# Altium PCB OMD_60V_REF_2.PcbDoc (part 2 of 6)
Units mm, origin at the board's own origin, x right, y up, seen from the top; angles counter-clockwise.
Board outline 71.95 x 71.94 mm, 6 copper layers (Top Layer, L2, L3, L4, L5, Bottom Layer), stack 2.309 mm thick; 139 components, 113 nets, 809 pads, 9892 vias.
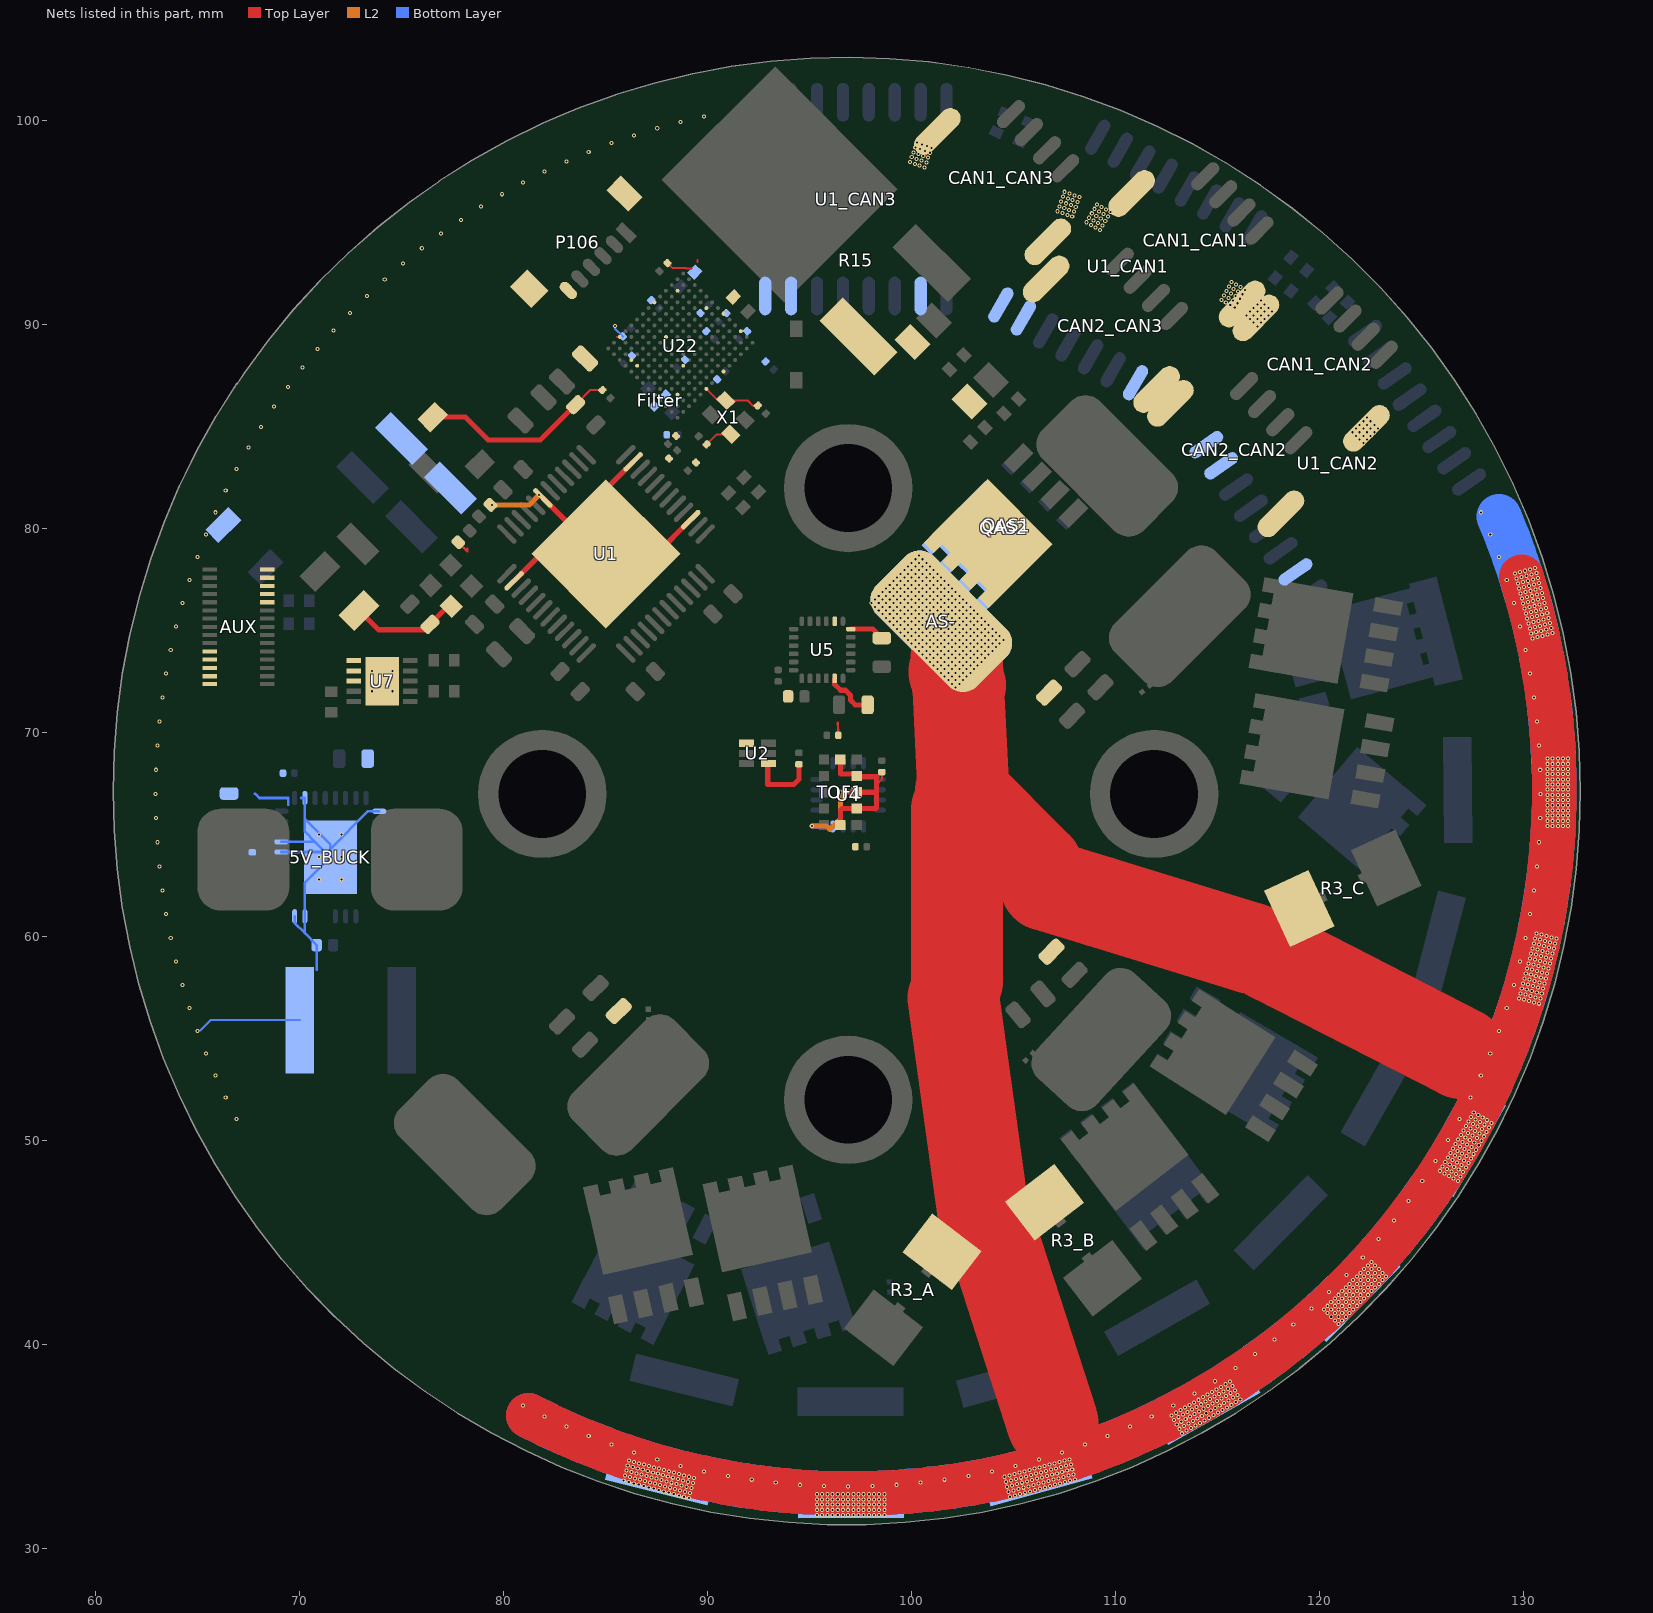
[diagram p6: the nets of this part, all layers, seen from the top]

## Via types
v1: diameter 0.2, hole 0.1, Top Layer to L2, tented both sides, 3354 vias
v2: diameter 0.2, hole 0.1, L2 to L3, tented both sides, 3246 vias
v3: diameter 0.2, hole 0.1, L3 to Bottom Layer, tented both sides, 3236 vias
v4: diameter 0.2, hole 0.1, L2 to L3, 40 vias
v5: diameter 0.2, hole 0.1, L3 to Bottom Layer, 8 vias
v6: diameter 0.2, hole 0.1, Top Layer to L2, 6 vias
v7: diameter 0.2, hole 0.1, Top Layer to L3, 2 vias

## Nets (pads, with @x,y where several pads share a name; then routed paths per layer and width w, separated by ;. In a path a pad name is that pad's centre, name@x,y a point inside that pad or via, vN(x,y) a via of type N, cw(c..) or ccw(c..) an arc to the next point about the centre after c; other vN are vias at no path point) (continued)
GND: 5V_BUCK.6 5V_BUCK.7 5V_BUCK.12 5V_BUCK.19 5V_BUCK.35 5V_BUCK.36 5V_BUCK.37 AS-.1 AUX.1 AUX.3 AUX.5 AUX.7 AUX.9 AUX.22 AUX.24 AUX.26 AUX.28 AUX.30 C1.2 C2.2 C3.2 C4.2 C5.2 C6.2 C7.P$2 C8.2 C11.1 C12.2 C13.P$2 C14.1 C15.2 C16.1 C17.2 C18.P$2 C19.2 C20.1 C21.1 C22.1 C23.1 C24.1 C25.1 C26.2 C27.2 C28.2 C29.1 C30.1 C31.1 C32.2 C33.2 C34.2 C35.2 C36.2 C37.2 C38.2 C39.2 C40.1 C41.1 C42.1 C43.2 C44.2 C45_A.2 C45_B.2 C45_C.2 C46.1 C47.1 C48.P$2 C51.2 C53.1 CAN1_CAN1.GND CAN1_CAN2.GND CAN1_CAN3.GND CAN2_CAN2.GND CAN2_CAN3.GND D1.2 Filter.2 P106.6 P106.GND QAS1.D QAS2.D R3_A.2 R3_B.2 R3_C.2 R7.1 R10_A.2 R10_B.2 R10_C.2 R15.1 R18.2 R19.1 R23.1 TOF1.2 TOF1.3 TOF1.4 TOF1.6 TOF1.12 U1.2 U1.27 U1.35 U1.43 U1.49 U1_CAN1.2 U1_CAN1.7 U1_CAN1.8 U1_CAN2.2 U1_CAN2.7 U1_CAN2.8 U1_CAN3.2 U1_CAN3.7 U1_CAN3.8 U2.1 U2.4 U4.8 U5.11 U5.18 U5.20 U7.1 U7.2 U7.3 U7.11 U22.A8 U22.A11 U22.B6 U22.C2 U22.F1 U22.F13 U22.H5 U22.J9 U22.J13 U22.M1 U22.M11 U22.N4 U22.N5 U22.P9 X1.2 X1.4 | length 328.1
  Top Layer w0.1: C8.2@83.54,86.06 84.259,86.779 C43.2@84.853,86.779 ; 85.568,89.381 U22.M1@85.707,89.381 ; U1.35@86.356,83.253 U1.35@86.448,83.346 ; U22.P9@87.404,86.482 U22.P9@87.404,86.553 ; C44.2@88.043,93.002 88.281,92.764 88.931,92.764 88.948,92.747 89.222,92.747 ; 89.524,93.049 89.524,93.158 ; C40.1@89.806,84.115 C40.1@89.967,84.115 90.459,84.607 X1.2@91.144,84.607 ; U22.J13@89.949,86.835 90.516,86.269 X1.4@90.897,86.269 91.968,86.269 92.219,86.017 C39.2@92.473,86.017 ; 96.393,70.485 C2.2@96.419,69.85 ; 98.298,67.437 98.552,67.691 C4.2@98.552,68.046
  Top Layer w0.127: C13.P$2@77.784,79.313 78.23,78.867 78.232,78.869 78.232,78.994 ; CAN1_CAN3.GND@100.58,98.689 100.669,98.498 CAN1_CAN3.GND@100.74,98.345
  Top Layer w0.254: C5.2@72.925,75.974 73.875,75.024 76.135,75.024 C11.1@76.402,75.291 77.418,76.307 R7.1@77.571,76.307 ; D1.2@76.528,85.453 78.129,85.453 79.254,84.328 81.809,84.328 C8.2@83.54,86.06 ; C7.P$2@79.365,81.149 v1(79.435,81.149) ; U1.2@80.522,77.42 81.848,78.745 U1.49@84.676,78.745 ; U1.43@81.936,81.485 U1.49@84.676,78.745 ; U1.35@86.356,83.253 85.03,81.927 U1.49@85.03,78.745 ; U1.27@89.184,80.425 87.505,78.745 U1.49@85.03,78.745 ; U2.4@92.991,68.461 92.964,68.434 92.964,67.437 94.234,67.437 94.488,67.691 C1.2@94.488,68.427 ; U5.11@96.241,72.641 96.241,72.355 96.541,72.054 96.776,72.054 97.014,71.816 97.014,71.582 97.253,71.343 C17.2@97.855,71.343 ; TOF1.6@96.52,65.456 96.52,66.167 96.609,66.256 TOF1.4@97.32,66.256 98.26,66.256 98.298,66.294 98.298,67.056 ; v1(96.52,67.056) TOF1.3@97.32,67.056 98.298,67.056 ; TOF1.12@96.52,68.656 96.52,67.945 97.231,67.945 TOF1.2@97.32,67.856 97.358,67.818 98.324,67.818 98.298,67.792 98.298,67.437 98.298,67.056 ; U5.18@97.031,75.057 98.109,75.057 C15.2@98.552,74.614 ; U1.49@84.676,78.745 U1.49@85.03,78.745
  Top Layer w2.2: 81.237,36.493 ccw(c97.028,67.167) v1@129.911,77.605
  Top Layer w4.5: 102.062,56.953 103.516,46.53 103.639,45.65 103.686,45.311 ; AS-.1@102.101,72.991 102.103,72.987 102.12,72.946 102.122,72.941 AS-.1@102.137,72.905 ; AS-.1@102.137,72.905 102.14,72.9 102.157,72.859 102.174,72.817 102.177,72.812 102.194,72.771 102.212,72.73 102.214,72.724 102.231,72.683 102.249,72.642 102.269,72.595 AS-.1@102.274,72.581 ; AS-.1@102.218,73.676 102.218,73.672 102.219,73.654 102.22,73.635 102.221,73.617 102.222,73.599 102.223,73.58 AS-.1@102.224,73.562 ; AS-.1@102.224,73.562 102.226,73.521 102.227,73.502 102.228,73.484 102.229,73.465 102.23,73.447 102.231,73.429 102.232,73.41 102.233,73.392 102.236,73.332 102.237,73.314 102.238,73.295 102.239,73.277 102.24,73.259 102.241,73.24 102.241,73.222 102.245,73.144 102.246,73.125 102.247,73.107 102.248,73.089 102.249,73.07 102.25,73.052 102.255,72.956 102.256,72.937 102.257,72.919 102.258,72.9 102.259,72.882 102.265,72.767 102.266,72.749 102.267,72.73 102.268,72.712 AS-.1@102.274,72.581 ; 102.235,57.785 102.235,66.22 102.426,66.411 102.426,67.119 102.562,66.983 ; AS-.1@102.398,72.29 102.36,72.378 102.323,72.466 102.306,72.507 102.286,72.554 AS-.1@102.274,72.581 ; 102.758,63.166 102.562,66.983 ; 103.695,46.13 103.722,46.044 103.954,45.329 106.936,36.118 ; 106.172,63.373 102.562,66.983 ; 106.601,62.5 109.253,61.686 116.586,59.436 ; 117.595,59.053 117.795,58.951 126.967,54.266 ; AS-.1@102.274,72.581 102.274,72.579 102.275,72.56 102.276,72.542 102.284,72.391 102.285,72.372 102.294,72.202 102.562,66.983
  L2 w0.254: v1(79.435,81.149) 81.27,81.149 v1(81.749,81.628) ; v3(95.123,65.405) 95.847,65.405 96.012,65.24 96.52,65.748 v1(96.52,67.056)
  Bottom Layer w0.1: 65.138,55.377 65.641,55.88 C46.1@70.017,55.88 ; v3(85.471,89.916) 85.471,89.789 C32.2@85.852,89.408
  Bottom Layer w0.127: 67.818,66.994 68.035,66.777 69.448,66.777 69.448,66.442 ; 5V_BUCK.6@69.114,64.127 71.264,64.127 5V_BUCK.37@70.764,64.627 ; 5V_BUCK.7@69.114,64.627 5V_BUCK.37@70.764,64.627 ; 5V_BUCK.36@69.764,60.977 69.764,60.646 70.264,60.146 ; 70.079,66.777 5V_BUCK.12@70.264,66.777 70.264,65.753 ; 70.847,58.361 C48.P$2@70.847,59.563 70.264,60.146 ; 5V_BUCK.19@73.914,66.127 73.366,66.127 5V_BUCK.37@71.514,64.275 ; 70.264,60.146 5V_BUCK.35@70.264,60.977 70.264,62.627 5V_BUCK.37@71.514,63.877 5V_BUCK.37@71.514,64.275 ; 70.264,65.753 71.514,64.503 5V_BUCK.37@71.514,64.275 ; 70.264,65.753 70.264,65.127 5V_BUCK.37@70.764,64.627
  Bottom Layer w0.254: v3(95.123,65.405) 95.847,65.405 96.012,65.24 U4.8@96.151,65.379
  Bottom Layer w2.2: 81.237,36.493 ccw(c97.028,67.167) 128.814,80.581
  other v1: 95.377,31.623 95.631,31.623 95.885,31.623 96.139,31.623 96.393,31.623 96.647,31.623 96.901,31.623 97.155,31.623 97.409,31.623 97.663,31.623 97.917,31.623 98.171,31.623 98.425,31.623 98.679,31.623 95.377,31.877 95.631,31.877 95.885,31.877 96.139,31.877 96.393,31.877 96.647,31.877 96.901,31.877 97.155,31.877 97.409,31.877 97.663,31.877 97.917,31.877 98.171,31.877 98.425,31.877 98.679,31.877 95.377,32.131 95.631,32.131 95.885,32.131 96.139,32.131 96.393,32.131 96.647,32.131 96.901,32.131 97.155,32.131 97.409,32.131 97.663,32.131 97.917,32.131 98.171,32.131 98.425,32.131 98.679,32.131 95.377,32.385 95.631,32.385 95.885,32.385 96.139,32.385 96.393,32.385 96.647,32.385 96.901,32.385 97.155,32.385 97.409,32.385 97.663,32.385 97.917,32.385 98.171,32.385 98.425,32.385 98.679,32.385 89.089,32.45 88.844,32.516 104.831,32.516 88.598,32.582 105.077,32.582 88.353,32.647 95.377,32.639 95.631,32.639 95.885,32.639 96.139,32.639 96.393,32.639 96.647,32.639 96.901,32.639 97.155,32.639 97.409,32.639 97.663,32.639 97.917,32.639 98.171,32.639 98.425,32.639 98.679,32.639 105.322,32.647 89.155,32.695 88.108,32.713 105.567,32.713 88.909,32.761 104.766,32.761 87.862,32.779 105.813,32.779 88.664,32.827 105.011,32.827 87.617,32.845 106.058,32.845 88.419,32.893 105.256,32.893 87.372,32.91 106.304,32.91 89.22,32.941 87.126,32.976 88.173,32.958 105.502,32.958 106.549,32.976 88.975,33.007 104.7,33.007 87.928,33.024 96.903,33.02 105.747,33.024 86.881,33.042 95.718,33.041 98.088,33.041 106.794,33.042 88.73,33.072 104.945,33.072 86.635,33.108 87.683,33.09 94.534,33.103 99.271,33.103 105.992,33.09 107.04,33.108 87.437,33.156 88.484,33.138 105.191,33.138 106.238,33.156 86.39,33.173 107.285,33.173 88.239,33.204 89.286,33.186 93.353,33.206 100.452,33.206 105.436,33.204 87.192,33.221 106.483,33.221 86.145,33.239 89.041,33.252 104.634,33.252 107.53,33.239 87.994,33.269 105.681,33.27 85.899,33.305 86.947,33.287 106.728,33.287 107.776,33.305 87.748,33.335 88.795,33.318 104.88,33.318 105.927,33.335 86.701,33.353 92.177,33.35 101.628,33.35 106.974,33.353 88.55,33.383 105.125,33.383 108.021,33.37 87.503,33.401 106.172,33.401 86.456,33.419 89.352,33.431 107.219,33.419 88.305,33.449 105.37,33.449 86.211,33.484 87.258,33.467 106.417,33.467 107.464,33.484 88.059,33.515 89.107,33.497 104.568,33.497 105.616,33.515 87.012,33.532 91.007,33.536 102.799,33.536 106.663,33.532 85.965,33.55 88.861,33.563 104.814,33.563 107.71,33.55 87.814,33.581 105.861,33.581 86.767,33.598 106.908,33.598 107.955,33.616 88.616,33.629 105.059,33.629 86.522,33.664 87.569,33.646 106.106,33.646 107.153,33.664 87.323,33.712 88.371,33.694 105.304,33.694 106.352,33.712 86.276,33.73 107.399,33.73 88.125,33.76 89.843,33.762 103.962,33.762 105.55,33.76 87.078,33.778 106.597,33.778 86.031,33.795 107.644,33.795 86.833,33.844 87.88,33.826 105.795,33.826 106.842,33.844 107.889,33.861 87.635,33.892 106.041,33.892 86.587,33.909 107.088,33.909 87.389,33.957 106.286,33.957 86.342,33.975 107.333,33.975 87.144,34.023 106.531,34.023 86.097,34.041 88.688,34.029 105.117,34.029 107.578,34.041 86.898,34.089 106.777,34.089 107.824,34.107 86.653,34.155 107.022,34.155 86.408,34.22 107.267,34.22 86.162,34.286 107.513,34.286 87.544,34.335 106.262,34.335 107.758,34.352 86.41,34.682 107.395,34.682 85.29,35.068 108.516,35.068 84.183,35.492 109.622,35.492 113.268,35.628 113.488,35.755 113.141,35.848 113.708,35.882 83.092,35.955 110.713,35.955 113.361,35.975 113.928,36.009 113.014,36.068 113.581,36.102 114.148,36.136 113.234,36.195 113.801,36.229 114.368,36.263 112.887,36.288 113.454,36.322 114.021,36.356 114.588,36.39 113.107,36.415 82.018,36.456 111.787,36.456 113.674,36.449 114.241,36.483 112.76,36.508 114.808,36.517 113.327,36.542 113.894,36.576 114.461,36.61 112.98,36.635 115.028,36.644 113.547,36.669 114.114,36.703 114.681,36.737 113.2,36.762 115.248,36.771 113.767,36.796 114.334,36.83 114.901,36.864 113.42,36.889 115.468,36.898 113.987,36.923 114.554,36.957 80.962,36.994 112.843,36.994 115.121,36.991 113.64,37.016 115.688,37.025 114.207,37.05 114.774,37.084 115.341,37.118 113.86,37.143 115.908,37.152 114.427,37.177 114.994,37.211 115.561,37.245 114.08,37.27 116.128,37.279 114.647,37.304 115.214,37.338 115.781,37.372 114.3,37.397 114.867,37.431 115.434,37.465 116.001,37.499 114.52,37.524 113.88,37.569 115.087,37.558 115.654,37.592 114.74,37.651 115.307,37.685 115.874,37.719 114.96,37.778 115.527,37.812 115.18,37.905 115.747,37.939 115.4,38.032 115.62,38.159 114.896,38.179 115.89,38.825 116.86,39.505 117.807,40.218 118.728,40.964 120.948,40.981 120.768,41.161 121.127,41.161 120.588,41.34 120.948,41.34 121.307,41.34 120.409,41.52 120.768,41.52 121.127,41.52 121.486,41.52 120.229,41.7 120.588,41.7 120.948,41.7 121.307,41.7 121.666,41.7 119.622,41.741 120.409,41.879 120.768,41.879 121.127,41.879 121.486,41.879 121.846,41.879 120.588,42.059 120.948,42.059 121.307,42.059 121.666,42.059 122.025,42.059 120.768,42.238 121.127,42.238 121.486,42.238 121.846,42.238 122.205,42.238 120.948,42.418 121.307,42.418 121.666,42.418 122.025,42.418 122.384,42.418 120.489,42.55 121.127,42.598 121.486,42.598 121.846,42.598 122.205,42.598 122.564,42.598 121.307,42.777 121.666,42.777 122.025,42.777 122.384,42.777 122.744,42.777 121.486,42.957 121.846,42.957 122.205,42.957 122.564,42.957 122.923,42.957 121.666,43.136 122.025,43.136 122.384,43.136 122.744,43.136 123.103,43.136 121.846,43.316 122.205,43.316 122.564,43.316 122.923,43.316 123.282,43.316 121.327,43.388 122.025,43.496 122.384,43.496 122.744,43.496 123.103,43.496 122.205,43.675 122.564,43.675 122.923,43.675 122.384,43.855 122.744,43.855 122.564,44.034 122.135,44.254 122.913,45.149 123.659,46.07 124.372,47.016 125.052,47.987 126.805,47.99 126.585,48.117 126.932,48.21 126.365,48.244 126.712,48.337 126.145,48.371 127.059,48.43 126.492,48.464 125.925,48.498 126.839,48.557 126.272,48.591 127.186,48.65 126.619,48.684 126.052,48.718 126.966,48.777 126.399,48.811 127.313,48.87 126.746,48.904 126.179,48.938 125.697,48.981 127.093,48.997 126.526,49.031 127.44,49.09 126.873,49.124 126.306,49.158 127.22,49.217 126.653,49.251 127.567,49.31 127,49.344 126.433,49.378 127.347,49.437 126.78,49.471 127.694,49.53 127.127,49.564 126.56,49.598 127.474,49.657 126.907,49.691 127.821,49.75 127.254,49.784 126.687,49.818 127.601,49.877 127.034,49.911 127.948,49.97 126.308,49.997 127.381,50.004 126.814,50.038 127.728,50.097 127.161,50.131 128.075,50.19 127.508,50.224 126.941,50.258 127.855,50.317 127.288,50.351 128.202,50.41 127.635,50.444 127.068,50.478 127.982,50.537 127.415,50.571 128.329,50.63 127.762,50.664 127.195,50.698 128.109,50.757 127.542,50.791 128.456,50.85 127.889,50.884 127.322,50.918 128.236,50.977 127.669,51.011 66.923,51.034 126.882,51.034 128.016,51.104 127.449,51.138 127.796,51.231 127.576,51.358 66.385,52.09 127.42,52.09 65.884,53.164 127.921,53.164 65.421,54.255 128.384,54.255 64.996,55.361 128.809,55.361 64.61,56.482 129.195,56.482 130.779,56.689 130.534,56.755 130.289,56.821 130.043,56.887 129.798,56.952 130.845,56.935 130.6,57.001 130.354,57.066 130.109,57.132 130.911,57.18 129.864,57.198 130.665,57.246 130.42,57.312 130.175,57.377 130.976,57.425 129.929,57.443 130.731,57.491 130.486,57.557 64.264,57.615 129.541,57.615 130.24,57.623 129.995,57.688 131.042,57.671 130.797,57.737 130.552,57.802 130.306,57.868 131.108,57.916 130.061,57.934 130.863,57.982 130.617,58.048 130.372,58.113 131.174,58.162 130.127,58.179 130.928,58.227 130.683,58.293 130.438,58.359 131.239,58.407 130.192,58.424 130.994,58.473 130.749,58.538 130.503,58.604 131.305,58.652 130.258,58.67 131.06,58.718 63.957,58.76 129.848,58.76 130.814,58.784 130.569,58.849 130.324,58.915 131.371,58.898 131.126,58.963 130.88,59.029 130.635,59.095 131.437,59.143 130.39,59.161 131.191,59.209 130.946,59.274 130.701,59.34 131.502,59.388 130.455,59.406 131.257,59.454 131.012,59.52 130.766,59.585 130.521,59.651 131.568,59.634 131.323,59.699 131.077,59.765 130.832,59.831 131.634,59.879 130.587,59.897 63.69,59.915 130.115,59.915 131.389,59.945 131.143,60.01 130.898,60.076 130.653,60.142 63.464,61.078 130.341,61.078 63.279,62.249 130.526,62.249 70.964,62.777 72.064,62.777 63.134,63.425 130.671,63.425 70.964,63.877 72.064,63.877 63.031,64.606 130.774,64.606 70.964,64.977 72.064,64.977 95.123,65.405 131.191,65.405 131.445,65.405 131.699,65.405 131.953,65.405 132.207,65.405 131.191,65.659 131.445,65.659 131.699,65.659 131.953,65.659 132.207,65.659 62.969,65.789 130.836,65.789 131.191,65.913 131.445,65.913 131.699,65.913 131.953,65.913 132.207,65.913 131.191,66.167 131.445,66.167 131.699,66.167 131.953,66.167 132.207,66.167 131.191,66.421 131.445,66.421 131.699,66.421 131.953,66.421 132.207,66.421 131.191,66.675 131.445,66.675 131.699,66.675 131.953,66.675 132.207,66.675 131.191,66.929 131.445,66.929 131.699,66.929 131.953,66.929 132.207,66.929 62.948,66.974 130.857,66.974 131.191,67.183 131.445,67.183 131.699,67.183 131.953,67.183 132.207,67.183 131.191,67.437 131.445,67.437 131.699,67.437 131.953,67.437 132.207,67.437 131.191,67.691 131.445,67.691 131.699,67.691 131.953,67.691 132.207,67.691 131.191,67.945 131.445,67.945 131.699,67.945 131.953,67.945 132.207,67.945 62.969,68.159 130.836,68.159 131.191,68.199 131.445,68.199 131.699,68.199 131.953,68.199 132.207,68.199 131.191,68.453 131.445,68.453 131.699,68.453 131.953,68.453 132.207,68.453 131.191,68.707 131.445,68.707 131.699,68.707 131.953,68.707 132.207,68.707 63.031,69.343 130.774,69.343 63.134,70.523 130.671,70.523 63.279,71.7 130.526,71.7 73.553,72.009 74.553,72.009 102.175,72.196 101.995,72.376 102.355,72.376 101.816,72.555 102.175,72.555 102.534,72.555 101.636,72.735 101.995,72.735 102.355,72.735 102.714,72.735 63.464,72.87 130.341,72.87 101.456,72.915 101.816,72.915 102.175,72.915 102.534,72.915 102.893,72.915 73.553,73.009 74.553,73.009 101.277,73.094 101.636,73.094 101.995,73.094 102.355,73.094 102.714,73.094 103.073,73.094 101.097,73.274 101.456,73.274 101.816,73.274 102.175,73.274 102.534,73.274 102.893,73.274 103.253,73.274 100.918,73.453 101.277,73.453 101.636,73.453 101.995,73.453 102.355,73.453 102.714,73.453 103.073,73.453 103.432,73.453 100.738,73.633 101.097,73.633 101.456,73.633 101.816,73.633 102.175,73.633 102.534,73.633 102.893,73.633 103.253,73.633 103.612,73.633 100.558,73.813 100.918,73.813 101.277,73.813 101.636,73.813 101.995,73.813 102.355,73.813 102.714,73.813 103.073,73.813 103.432,73.813 103.791,73.813 100.379,73.992 100.738,73.992 101.097,73.992 101.456,73.992 101.816,73.992 102.175,73.992 102.534,73.992 102.893,73.992 103.253,73.992 103.612,73.992 103.971,73.992 63.69,74.034 130.115,74.034 100.199,74.172 100.558,74.172 100.918,74.172 101.277,74.172 101.636,74.172 101.995,74.172 102.355,74.172 102.714,74.172 103.073,74.172 103.432,74.172 103.791,74.172 104.151,74.172 100.02,74.351 100.379,74.351 100.738,74.351 101.097,74.351 101.456,74.351 101.816,74.351 102.175,74.351 102.534,74.351 102.893,74.351 103.253,74.351 103.612,74.351 103.971,74.351 104.33,74.351 99.84,74.531 100.199,74.531 100.558,74.531 100.918,74.531 101.277,74.531 101.636,74.531 101.995,74.531 102.355,74.531 102.714,74.531 103.073,74.531 103.432,74.531 103.791,74.531 104.151,74.531 104.51,74.531 130.46,74.596 130.705,74.662 99.66,74.711 100.02,74.711 100.379,74.711 100.738,74.711 101.097,74.711 101.456,74.711 101.816,74.711 102.175,74.711 102.534,74.711 102.893,74.711 103.253,74.711 103.612,74.711 103.971,74.711 104.33,74.711 130.95,74.728 131.196,74.794 130.394,74.842 131.441,74.859 99.481,74.89 99.84,74.89 100.199,74.89 100.558,74.89 100.918,74.89 101.277,74.89 101.636,74.89 101.995,74.89 102.355,74.89 102.714,74.89 103.073,74.89 103.432,74.89 103.791,74.89 104.151,74.89 130.639,74.908 130.885,74.973 131.13,75.039 99.301,75.07 99.66,75.07 100.02,75.07 100.379,75.07 100.738,75.07 101.097,75.07 101.456,75.07 101.816,75.07 102.175,75.07 102.534,75.07 102.893,75.07 103.253,75.07 103.612,75.07 103.971,75.07 130.328,75.087 131.375,75.105 130.574,75.153 63.957,75.188 129.848,75.188 130.819,75.219 99.122,75.249 99.481,75.249 99.84,75.249 100.199,75.249 100.558,75.249 100.918,75.249 101.277,75.249 101.636,75.249 101.995,75.249 102.355,75.249 102.714,75.249 103.073,75.249 103.432,75.249 103.791,75.249 131.064,75.284 130.263,75.332 131.31,75.35 130.508,75.398 98.942,75.429 99.301,75.429 99.66,75.429 100.02,75.429 100.379,75.429 100.738,75.429 101.097,75.429 101.456,75.429 101.816,75.429 102.175,75.429 102.534,75.429 102.893,75.429 103.253,75.429 103.612,75.429 130.753,75.464 130.999,75.53 130.197,75.578 131.244,75.595 98.762,75.609 99.122,75.609 99.481,75.609 99.84,75.609 100.199,75.609 100.558,75.609 100.918,75.609 101.277,75.609 101.636,75.609 101.995,75.609 102.355,75.609 102.714,75.609 103.073,75.609 103.432,75.609 130.442,75.644 130.687,75.709 130.933,75.775 98.583,75.788 98.942,75.788 99.301,75.788 99.66,75.788 100.02,75.788 100.379,75.788 100.738,75.788 101.097,75.788 101.456,75.788 101.816,75.788 102.175,75.788 102.534,75.788 102.893,75.788 103.253,75.788 130.131,75.823 131.178,75.841 130.376,75.889 130.622,75.955 98.403,75.968 98.762,75.968 99.122,75.968 99.481,75.968 99.84,75.968 100.199,75.968 100.558,75.968 100.918,75.968 101.277,75.968 101.636,75.968 101.995,75.968 102.355,75.968 102.714,75.968 103.073,75.968 130.867,76.02 130.065,76.069 131.112,76.086 130.311,76.134 98.224,76.147 98.583,76.147 98.942,76.147 99.301,76.147 99.66,76.147 100.02,76.147 100.379,76.147 100.738,76.147 101.097,76.147 101.456,76.147 101.816,76.147 102.175,76.147 102.534,76.147 102.893,76.147 130.556,76.2 130.801,76.266 130,76.314 64.264,76.333 98.044,76.327 98.403,76.327 98.762,76.327 99.122,76.327 99.481,76.327 99.84,76.327 100.199,76.327 100.558,76.327 100.918,76.327 101.277,76.327 101.636,76.327 101.995,76.327 102.355,76.327 102.714,76.327 129.541,76.333 131.047,76.331 130.245,76.38 130.49,76.445 98.224,76.507 98.583,76.507 98.942,76.507 99.301,76.507 99.66,76.507 100.02,76.507 100.379,76.507 100.738,76.507 101.097,76.507 101.456,76.507 101.816,76.507 102.175,76.507 102.534,76.507 130.736,76.511 129.934,76.559 130.981,76.577 130.179,76.625 98.403,76.686 98.762,76.686 99.122,76.686 99.481,76.686 99.84,76.686 100.199,76.686 100.558,76.686 100.918,76.686 101.277,76.686 101.636,76.686 101.995,76.686 102.355,76.686 130.425,76.691 130.67,76.756 129.868,76.805 130.915,76.822 98.583,76.866 98.942,76.866 99.301,76.866 99.66,76.866 100.02,76.866 100.379,76.866 100.738,76.866 101.097,76.866 101.456,76.866 101.816,76.866 102.175,76.866 130.113,76.87 130.359,76.936 130.604,77.002 98.762,77.045 99.122,77.045 99.481,77.045 99.84,77.045 100.199,77.045 100.558,77.045 100.918,77.045 101.277,77.045 101.636,77.045 101.995,77.045 129.802,77.05 130.849,77.068 130.048,77.116 130.293,77.181 98.942,77.225 99.301,77.225 99.66,77.225 100.02,77.225 100.379,77.225 100.738,77.225 101.097,77.225 101.456,77.225 101.816,77.225 130.538,77.247 129.737,77.295 130.784,77.313 129.982,77.361 99.122,77.405 99.481,77.405 99.84,77.405 100.199,77.405 100.558,77.405 100.918,77.405 101.277,77.405 101.636,77.405 130.227,77.427 64.61,77.467 129.195,77.467 130.473,77.492 129.671,77.541 130.718,77.558 99.301,77.584 99.66,77.584 100.02,77.584 100.379,77.584 100.738,77.584 101.097,77.584 101.456,77.584 129.916,77.606 130.162,77.672 130.407,77.738 99.481,77.764 99.84,77.764 100.199,77.764 100.558,77.764 100.918,77.764 101.277,77.764 129.605,77.786 130.652,77.804 129.85,77.852 130.096,77.917 99.66,77.943 100.02,77.943 100.379,77.943 100.738,77.943 101.097,77.943 130.341,77.983 130.587,78.049 99.84,78.123 100.199,78.123 100.558,78.123 100.918,78.123 100.02,78.303 100.379,78.303 100.738,78.303 100.199,78.482 100.558,78.482 64.996,78.587 128.809,78.587 100.379,78.662 65.421,79.694 65.884,80.785 66.385,81.859 66.923,82.915 67.497,83.951 122.165,84.17 121.985,84.35 122.345,84.35 121.806,84.529 122.165,84.529 122.524,84.529 121.626,84.709 121.985,84.709 122.345,84.709 122.704,84.709 121.806,84.889 122.165,84.889 122.524,84.889 122.883,84.889 68.108,84.967 121.985,85.068 122.345,85.068 122.704,85.068 122.165,85.248 122.524,85.248 122.345,85.427 68.753,85.961 69.433,86.932 70.146,87.878 70.892,88.8 71.67,89.694 116.964,89.901 85.471,89.916 116.785,90.081 117.144,90.081 116.605,90.26 116.964,90.26 117.324,90.26 116.426,90.44 116.785,90.44 117.144,90.44 117.503,90.44 72.478,90.561 116.605,90.619 116.964,90.619 117.324,90.619 117.683,90.619 115.858,90.814 116.785,90.799 117.144,90.799 117.503,90.799 115.638,90.941 116.964,90.979 117.324,90.979 115.985,91.034 115.418,91.068 115.765,91.161 117.144,91.158 115.198,91.195 116.112,91.254 115.545,91.288 73.316,91.399 115.892,91.381 115.325,91.415 116.239,91.474 115.672,91.508 116.019,91.601 115.452,91.635 116.366,91.694 115.799,91.728 116.146,91.821 115.579,91.855 115.926,91.948 115.706,92.075 74.183,92.207 75.077,92.985 75.998,93.73 76.945,94.444 109.254,94.624 109.034,94.751 109.381,94.844 108.814,94.878 109.161,94.971 108.594,95.005 109.508,95.064 108.941,95.098 77.916,95.123 109.288,95.191 108.721,95.225 107.889,95.284 109.635,95.284 109.068,95.318 107.65,95.37 109.415,95.411 107.411,95.457 108.848,95.445 109.762,95.504 107.976,95.522 109.195,95.538 107.173,95.544 107.737,95.609 109.542,95.631 108.975,95.665 107.498,95.696 78.91,95.769 108.062,95.761 109.322,95.758 107.26,95.783 107.824,95.848 109.102,95.885 107.585,95.935 107.346,96.022 108.149,96 107.911,96.086 107.672,96.173 108.236,96.238 107.433,96.26 107.998,96.325 79.926,96.379 107.759,96.412 107.52,96.499 80.962,96.954 82.018,97.492 100.65,97.697 100.411,97.783 100.172,97.87 100.737,97.935 99.934,97.957 83.092,97.993 100.498,98.022 100.259,98.109 100.823,98.174 100.021,98.196 100.585,98.261 100.346,98.348 100.107,98.435 100.91,98.413 84.183,98.456 100.672,98.499 100.433,98.586 100.997,98.651 100.194,98.673 100.759,98.738 100.52,98.825 85.29,98.881 100.281,98.912 86.41,99.267 87.544,99.613 88.688,99.92 89.843,100.186
  other v2: 95.377,31.623 95.631,31.623 95.885,31.623 96.139,31.623 96.393,31.623 96.647,31.623 96.901,31.623 97.155,31.623 97.409,31.623 97.663,31.623 97.917,31.623 98.171,31.623 98.425,31.623 98.679,31.623 95.377,31.877 95.631,31.877 95.885,31.877 96.139,31.877 96.393,31.877 96.647,31.877 96.901,31.877 97.155,31.877 97.409,31.877 97.663,31.877 97.917,31.877 98.171,31.877 98.425,31.877 98.679,31.877 95.377,32.131 95.631,32.131 95.885,32.131 96.139,32.131 96.393,32.131 96.647,32.131 96.901,32.131 97.155,32.131 97.409,32.131 97.663,32.131 97.917,32.131 98.171,32.131 98.425,32.131 98.679,32.131 95.377,32.385 95.631,32.385 95.885,32.385 96.139,32.385 96.393,32.385 96.647,32.385 96.901,32.385 97.155,32.385 97.409,32.385 97.663,32.385 97.917,32.385 98.171,32.385 98.425,32.385 98.679,32.385 89.089,32.45 88.844,32.516 104.831,32.516 88.598,32.582 105.077,32.582 88.353,32.647 95.377,32.639 95.631,32.639 95.885,32.639 96.139,32.639 96.393,32.639 96.647,32.639 96.901,32.639 97.155,32.639 97.409,32.639 97.663,32.639 97.917,32.639 98.171,32.639 98.425,32.639 98.679,32.639 105.322,32.647 89.155,32.695 88.108,32.713 105.567,32.713 88.909,32.761 104.766,32.761 87.862,32.779 105.813,32.779 88.664,32.827 105.011,32.827 87.617,32.845 106.058,32.845 88.419,32.893 105.256,32.893 87.372,32.91 106.304,32.91 89.22,32.941 87.126,32.976 88.173,32.958 105.502,32.958 106.549,32.976 88.975,33.007 104.7,33.007 87.928,33.024 96.903,33.02 105.747,33.024 86.881,33.042 95.718,33.041 98.088,33.041 106.794,33.042 88.73,33.072 104.945,33.072 86.635,33.108 87.683,33.09 94.534,33.103 99.271,33.103 105.992,33.09 107.04,33.108 87.437,33.156 88.484,33.138 105.191,33.138 106.238,33.156 86.39,33.173 107.285,33.173 88.239,33.204 89.286,33.186 93.353,33.206 100.452,33.206 105.436,33.204 87.192,33.221 106.483,33.221 86.145,33.239 89.041,33.252 104.634,33.252 107.53,33.239 87.994,33.269 105.681,33.27 85.899,33.305 86.947,33.287 106.728,33.287 107.776,33.305 87.748,33.335 88.795,33.318 104.88,33.318 105.927,33.335 86.701,33.353 92.177,33.35 101.628,33.35 106.974,33.353 88.55,33.383 105.125,33.383 108.021,33.37 87.503,33.401 106.172,33.401 86.456,33.419 89.352,33.431 107.219,33.419 88.305,33.449 105.37,33.449 86.211,33.484 87.258,33.467 106.417,33.467 107.464,33.484 88.059,33.515 89.107,33.497 104.568,33.497 105.616,33.515 87.012,33.532 91.007,33.536 102.799,33.536 106.663,33.532 85.965,33.55 88.861,33.563 104.814,33.563 107.71,33.55 87.814,33.581 105.861,33.581 86.767,33.598 106.908,33.598 107.955,33.616 88.616,33.629 105.059,33.629 86.522,33.664 87.569,33.646 106.106,33.646 107.153,33.664 87.323,33.712 88.371,33.694 105.304,33.694 106.352,33.712 86.276,33.73 107.399,33.73 88.125,33.76 89.843,33.762 103.962,33.762 105.55,33.76 87.078,33.778 106.597,33.778 86.031,33.795 107.644,33.795 86.833,33.844 87.88,33.826 105.795,33.826 106.842,33.844 107.889,33.861 87.635,33.892 106.041,33.892 86.587,33.909 107.088,33.909 87.389,33.957 106.286,33.957 86.342,33.975 107.333,33.975 87.144,34.023 106.531,34.023 86.097,34.041 88.688,34.029 105.117,34.029 107.578,34.041 86.898,34.089 106.777,34.089 107.824,34.107 86.653,34.155 107.022,34.155 86.408,34.22 107.267,34.22 86.162,34.286 107.513,34.286 87.544,34.335 106.262,34.335 107.758,34.352 86.41,34.682 107.395,34.682 85.29,35.068 108.516,35.068 84.183,35.492 109.622,35.492 113.268,35.628 113.488,35.755 113.141,35.848 113.708,35.882 83.092,35.955 110.713,35.955 113.361,35.975 113.928,36.009 113.014,36.068 113.581,36.102 114.148,36.136 113.234,36.195 113.801,36.229 114.368,36.263 112.887,36.288 113.454,36.322 114.021,36.356 114.588,36.39 113.107,36.415 82.018,36.456 111.787,36.456 113.674,36.449 114.241,36.483 112.76,36.508 114.808,36.517 113.327,36.542 113.894,36.576 114.461,36.61 112.98,36.635 115.028,36.644 113.547,36.669 114.114,36.703 114.681,36.737 113.2,36.762 115.248,36.771 113.767,36.796 114.334,36.83 114.901,36.864 113.42,36.889 115.468,36.898 113.987,36.923 114.554,36.957 80.962,36.994 112.843,36.994 115.121,36.991 113.64,37.016 115.688,37.025 114.207,37.05 114.774,37.084 115.341,37.118 113.86,37.143 115.908,37.152 114.427,37.177 114.994,37.211 115.561,37.245 114.08,37.27 116.128,37.279 114.647,37.304 115.214,37.338 115.781,37.372 114.3,37.397 114.867,37.431 115.434,37.465 116.001,37.499 114.52,37.524 113.88,37.569 115.087,37.558 115.654,37.592 114.74,37.651 115.307,37.685 115.874,37.719 114.96,37.778 115.527,37.812 115.18,37.905 115.747,37.939 115.4,38.032 115.62,38.159 114.896,38.179 115.89,38.825 116.86,39.505 117.807,40.218 118.728,40.964 120.948,40.981 120.768,41.161 121.127,41.161 120.588,41.34 120.948,41.34 121.307,41.34 120.409,41.52 120.768,41.52 121.127,41.52 121.486,41.52 120.229,41.7 120.588,41.7 120.948,41.7 121.307,41.7 121.666,41.7 119.622,41.741 120.409,41.879 120.768,41.879 121.127,41.879 121.486,41.879 121.846,41.879 120.588,42.059 120.948,42.059 121.307,42.059 121.666,42.059 122.025,42.059 120.768,42.238 121.127,42.238 121.486,42.238 121.846,42.238 122.205,42.238 120.948,42.418 121.307,42.418 121.666,42.418 122.025,42.418 122.384,42.418 120.489,42.55 121.127,42.598 121.486,42.598 121.846,42.598 122.205,42.598 122.564,42.598 121.307,42.777 121.666,42.777 122.025,42.777 122.384,42.777 122.744,42.777 121.486,42.957 121.846,42.957 122.205,42.957 122.564,42.957 122.923,42.957 121.666,43.136 122.025,43.136 122.384,43.136 122.744,43.136 123.103,43.136 121.846,43.316 122.205,43.316 122.564,43.316 122.923,43.316 123.282,43.316 121.327,43.388 122.025,43.496 122.384,43.496 122.744,43.496 123.103,43.496 122.205,43.675 122.564,43.675 122.923,43.675 122.384,43.855 122.744,43.855 122.564,44.034 122.135,44.254 122.913,45.149 123.659,46.07 124.372,47.016 125.052,47.987 126.805,47.99 126.585,48.117 126.932,48.21 126.365,48.244 126.712,48.337 126.145,48.371 127.059,48.43 126.492,48.464 125.925,48.498 126.839,48.557 126.272,48.591 127.186,48.65 126.619,48.684 126.052,48.718 126.966,48.777 126.399,48.811 127.313,48.87 126.746,48.904 126.179,48.938 125.697,48.981 127.093,48.997 126.526,49.031 127.44,49.09 126.873,49.124 126.306,49.158 127.22,49.217 126.653,49.251 127.567,49.31 127,49.344 126.433,49.378 127.347,49.437 126.78,49.471 127.694,49.53 127.127,49.564 126.56,49.598 127.474,49.657 126.907,49.691 127.821,49.75 127.254,49.784 126.687,49.818 127.601,49.877 127.034,49.911 127.948,49.97 126.308,49.997 127.381,50.004 126.814,50.038 127.728,50.097 127.161,50.131 128.075,50.19 127.508,50.224 126.941,50.258 127.855,50.317 127.288,50.351 128.202,50.41 127.635,50.444 127.068,50.478 127.982,50.537 127.415,50.571 128.329,50.63 127.762,50.664 127.195,50.698 128.109,50.757 127.542,50.791 128.456,50.85 127.889,50.884 127.322,50.918 128.236,50.977 127.669,51.011 66.923,51.034 126.882,51.034 128.016,51.104 127.449,51.138 127.796,51.231 127.576,51.358 66.385,52.09 127.42,52.09 65.884,53.164 127.921,53.164 65.421,54.255 128.384,54.255 64.996,55.361 128.809,55.361 64.61,56.482 129.195,56.482 130.779,56.689 130.534,56.755 130.289,56.821 130.043,56.887 129.798,56.952 130.845,56.935 130.6,57.001 130.354,57.066 130.109,57.132 130.911,57.18 129.864,57.198 130.665,57.246 130.42,57.312 130.175,57.377 130.976,57.425 129.929,57.443 130.731,57.491 130.486,57.557 64.264,57.615 129.541,57.615 130.24,57.623 129.995,57.688 131.042,57.671 130.797,57.737 130.552,57.802 130.306,57.868 131.108,57.916 130.061,57.934 130.863,57.982 130.617,58.048 130.372,58.113 131.174,58.162 130.127,58.179 130.928,58.227 130.683,58.293 130.438,58.359 131.239,58.407 130.192,58.424 130.994,58.473 130.749,58.538 130.503,58.604 131.305,58.652 130.258,58.67 131.06,58.718 63.957,58.76 129.848,58.76 130.814,58.784 130.569,58.849 130.324,58.915 131.371,58.898 131.126,58.963 130.88,59.029 130.635,59.095 131.437,59.143 130.39,59.161 131.191,59.209 130.946,59.274 130.701,59.34 131.502,59.388 130.455,59.406 131.257,59.454 131.012,59.52 130.766,59.585 130.521,59.651 131.568,59.634 131.323,59.699 131.077,59.765 130.832,59.831 131.634,59.879 130.587,59.897 63.69,59.915 130.115,59.915 131.389,59.945 131.143,60.01 130.898,60.076 130.653,60.142 63.464,61.078 130.341,61.078 63.279,62.249 130.526,62.249 70.964,62.777 72.064,62.777 63.134,63.425 130.671,63.425 70.964,63.877 72.064,63.877 63.031,64.606 130.774,64.606 70.964,64.977 72.064,64.977 95.123,65.405 131.191,65.405 131.445,65.405 131.699,65.405 131.953,65.405 132.207,65.405 131.191,65.659 131.445,65.659 131.699,65.659 131.953,65.659 132.207,65.659 62.969,65.789 130.836,65.789 131.191,65.913 131.445,65.913 131.699,65.913 131.953,65.913 132.207,65.913 131.191,66.167 131.445,66.167 131.699,66.167 131.953,66.167 132.207,66.167 131.191,66.421 131.445,66.421 131.699,66.421 131.953,66.421 132.207,66.421 131.191,66.675 131.445,66.675 131.699,66.675 131.953,66.675 132.207,66.675 131.191,66.929 131.445,66.929 131.699,66.929 131.953,66.929 132.207,66.929 62.948,66.974 130.857,66.974 131.191,67.183 131.445,67.183 131.699,67.183 131.953,67.183 132.207,67.183 131.191,67.437 131.445,67.437 131.699,67.437 131.953,67.437 132.207,67.437 131.191,67.691 131.445,67.691 131.699,67.691 131.953,67.691 132.207,67.691 131.191,67.945 131.445,67.945 131.699,67.945 131.953,67.945 132.207,67.945 62.969,68.159 130.836,68.159 131.191,68.199 131.445,68.199 131.699,68.199 131.953,68.199 132.207,68.199 131.191,68.453 131.445,68.453 131.699,68.453 131.953,68.453 132.207,68.453 131.191,68.707 131.445,68.707 131.699,68.707 131.953,68.707 132.207,68.707 63.031,69.343 130.774,69.343 63.134,70.523 130.671,70.523 63.279,71.7 130.526,71.7 73.553,72.009 74.553,72.009 102.175,72.196 101.995,72.376 102.355,72.376 101.816,72.555 102.175,72.555 102.534,72.555 101.636,72.735 101.995,72.735 102.355,72.735 102.714,72.735 63.464,72.87 130.341,72.87 101.456,72.915 101.816,72.915 102.175,72.915 102.534,72.915 102.893,72.915 73.553,73.009 74.553,73.009 101.277,73.094 101.636,73.094 101.995,73.094 102.355,73.094 102.714,73.094 103.073,73.094 101.097,73.274 101.456,73.274 101.816,73.274 102.175,73.274 102.534,73.274 102.893,73.274 103.253,73.274 100.918,73.453 101.277,73.453 101.636,73.453 101.995,73.453 102.355,73.453 102.714,73.453 103.073,73.453 103.432,73.453 100.738,73.633 101.097,73.633 101.456,73.633 101.816,73.633 102.175,73.633 102.534,73.633 102.893,73.633 103.253,73.633 103.612,73.633 100.558,73.813 100.918,73.813 101.277,73.813 101.636,73.813 101.995,73.813 102.355,73.813 102.714,73.813 103.073,73.813 103.432,73.813 103.791,73.813 100.379,73.992 100.738,73.992 101.097,73.992 101.456,73.992 101.816,73.992 102.175,73.992 102.534,73.992 102.893,73.992 103.253,73.992 103.612,73.992 103.971,73.992 63.69,74.034 130.115,74.034 100.199,74.172 100.558,74.172 100.918,74.172 101.277,74.172 101.636,74.172 101.995,74.172 102.355,74.172 102.714,74.172 103.073,74.172 103.432,74.172 103.791,74.172 104.151,74.172 100.02,74.351 100.379,74.351 100.738,74.351 101.097,74.351 101.456,74.351 101.816,74.351 102.175,74.351 102.534,74.351 102.893,74.351 103.253,74.351 103.612,74.351 103.971,74.351 104.33,74.351 99.84,74.531 100.199,74.531 100.558,74.531 100.918,74.531 101.277,74.531 101.636,74.531 101.995,74.531 102.355,74.531 102.714,74.531 103.073,74.531 103.432,74.531 103.791,74.531 104.151,74.531 104.51,74.531 130.46,74.596 130.705,74.662 99.66,74.711 100.02,74.711 100.379,74.711 100.738,74.711 101.097,74.711 101.456,74.711 101.816,74.711 102.175,74.711 102.534,74.711 102.893,74.711 103.253,74.711 103.612,74.711 103.971,74.711 104.33,74.711 130.95,74.728 131.196,74.794 130.394,74.842 131.441,74.859 99.481,74.89 99.84,74.89 100.199,74.89 100.558,74.89 100.918,74.89 101.277,74.89 101.636,74.89 101.995,74.89 102.355,74.89 102.714,74.89 103.073,74.89 103.432,74.89 103.791,74.89 104.151,74.89 130.639,74.908 130.885,74.973 131.13,75.039 99.301,75.07 99.66,75.07 100.02,75.07 100.379,75.07 100.738,75.07 101.097,75.07 101.456,75.07 101.816,75.07 102.175,75.07 102.534,75.07 102.893,75.07 103.253,75.07 103.612,75.07 103.971,75.07 130.328,75.087 131.375,75.105 130.574,75.153 63.957,75.188 129.848,75.188 130.819,75.219 99.122,75.249 99.481,75.249 99.84,75.249 100.199,75.249 100.558,75.249 100.918,75.249 101.277,75.249 101.636,75.249 101.995,75.249 102.355,75.249 102.714,75.249 103.073,75.249 103.432,75.249 103.791,75.249 131.064,75.284 130.263,75.332 131.31,75.35 130.508,75.398 98.942,75.429 99.301,75.429 99.66,75.429 100.02,75.429 100.379,75.429 100.738,75.429 101.097,75.429 101.456,75.429 101.816,75.429 102.175,75.429 102.534,75.429 102.893,75.429 103.253,75.429 103.612,75.429 130.753,75.464 130.999,75.53 130.197,75.578 131.244,75.595 98.762,75.609 99.122,75.609 99.481,75.609 99.84,75.609 100.199,75.609 100.558,75.609 100.918,75.609 101.277,75.609 101.636,75.609 101.995,75.609 102.355,75.609 102.714,75.609 103.073,75.609 103.432,75.609 130.442,75.644 130.687,75.709 130.933,75.775 98.583,75.788 98.942,75.788 99.301,75.788 99.66,75.788 100.02,75.788 100.379,75.788 100.738,75.788 101.097,75.788 101.456,75.788 101.816,75.788 102.175,75.788 102.534,75.788 102.893,75.788 103.253,75.788 130.131,75.823 131.178,75.841 130.376,75.889 130.622,75.955 98.403,75.968 98.762,75.968 99.122,75.968 99.481,75.968 99.84,75.968 100.199,75.968 100.558,75.968 100.918,75.968 101.277,75.968 101.636,75.968 101.995,75.968 102.355,75.968 102.714,75.968 103.073,75.968 130.867,76.02 130.065,76.069 131.112,76.086 130.311,76.134 98.224,76.147 98.583,76.147 98.942,76.147 99.301,76.147 99.66,76.147 100.02,76.147 100.379,76.147 100.738,76.147 101.097,76.147 101.456,76.147 101.816,76.147 102.175,76.147 102.534,76.147 102.893,76.147 130.556,76.2 130.801,76.266 130,76.314 64.264,76.333 98.044,76.327 98.403,76.327 98.762,76.327 99.122,76.327 99.481,76.327 99.84,76.327 100.199,76.327 100.558,76.327 100.918,76.327 101.277,76.327 101.636,76.327 101.995,76.327 102.355,76.327 102.714,76.327 129.541,76.333 131.047,76.331 130.245,76.38 130.49,76.445 98.224,76.507 98.583,76.507 98.942,76.507 99.301,76.507 99.66,76.507 100.02,76.507 100.379,76.507 100.738,76.507 101.097,76.507 101.456,76.507 101.816,76.507 102.175,76.507 102.534,76.507 130.736,76.511 129.934,76.559 130.981,76.577 130.179,76.625 98.403,76.686 98.762,76.686 99.122,76.686 99.481,76.686 99.84,76.686 100.199,76.686 100.558,76.686 100.918,76.686 101.277,76.686 101.636,76.686 101.995,76.686 102.355,76.686 130.425,76.691 130.67,76.756 129.868,76.805 130.915,76.822 98.583,76.866 98.942,76.866 99.301,76.866 99.66,76.866 100.02,76.866 100.379,76.866 100.738,76.866 101.097,76.866 101.456,76.866 101.816,76.866 102.175,76.866 130.113,76.87 130.359,76.936 130.604,77.002 98.762,77.045 99.122,77.045 99.481,77.045 99.84,77.045 100.199,77.045 100.558,77.045 100.918,77.045 101.277,77.045 101.636,77.045 101.995,77.045 129.802,77.05 130.849,77.068 130.048,77.116 130.293,77.181 98.942,77.225 99.301,77.225 99.66,77.225 100.02,77.225 100.379,77.225 100.738,77.225 101.097,77.225 101.456,77.225 101.816,77.225 130.538,77.247 129.737,77.295 130.784,77.313 129.982,77.361 99.122,77.405 99.481,77.405 99.84,77.405 100.199,77.405 100.558,77.405 100.918,77.405 101.277,77.405 101.636,77.405 130.227,77.427 64.61,77.467 129.195,77.467 130.473,77.492 129.671,77.541 130.718,77.558 99.301,77.584 99.66,77.584 100.02,77.584 100.379,77.584 100.738,77.584 101.097,77.584 101.456,77.584 129.916,77.606 130.162,77.672 130.407,77.738 99.481,77.764 99.84,77.764 100.199,77.764 100.558,77.764 100.918,77.764 101.277,77.764 129.605,77.786 130.652,77.804 129.85,77.852 130.096,77.917 99.66,77.943 100.02,77.943 100.379,77.943 100.738,77.943 101.097,77.943 130.341,77.983 130.587,78.049 99.84,78.123 100.199,78.123 100.558,78.123 100.918,78.123 100.02,78.303 100.379,78.303 100.738,78.303 100.199,78.482 100.558,78.482 64.996,78.587 128.809,78.587 100.379,78.662 65.421,79.694 128.384,79.694 65.884,80.785 127.921,80.785 66.385,81.859 66.923,82.915 67.497,83.951 122.165,84.17 121.985,84.35 122.345,84.35 121.806,84.529 122.165,84.529 122.524,84.529 121.626,84.709 121.985,84.709 122.345,84.709 122.704,84.709 121.806,84.889 122.165,84.889 122.524,84.889 122.883,84.889 68.108,84.967 121.985,85.068 122.345,85.068 122.704,85.068 122.165,85.248 122.524,85.248 122.345,85.427 68.753,85.961 69.433,86.932 70.146,87.878 70.892,88.8 71.67,89.694 116.964,89.901 85.471,89.916 116.785,90.081 117.144,90.081 116.605,90.26 116.964,90.26 117.324,90.26 116.426,90.44 116.785,90.44 117.144,90.44 117.503,90.44 72.478,90.561 116.605,90.619 116.964,90.619 117.324,90.619 117.683,90.619 115.858,90.814 116.785,90.799 117.144,90.799 117.503,90.799 115.638,90.941 116.964,90.979 117.324,90.979 115.985,91.034 115.418,91.068 115.765,91.161 117.144,91.158 115.198,91.195 116.112,91.254 115.545,91.288 73.316,91.399 115.892,91.381 115.325,91.415 116.239,91.474 115.672,91.508 116.019,91.601 115.452,91.635 116.366,91.694 115.799,91.728 116.146,91.821 115.579,91.855 115.926,91.948 115.706,92.075 74.183,92.207 75.077,92.985 75.998,93.73 76.945,94.444 109.254,94.624 109.034,94.751 109.381,94.844 108.814,94.878 109.161,94.971 108.594,95.005 109.508,95.064 108.941,95.098 77.916,95.123 109.288,95.191 108.721,95.225 107.889,95.284 109.635,95.284 109.068,95.318 107.65,95.37 109.415,95.411 107.411,95.457 108.848,95.445 109.762,95.504 107.976,95.522 109.195,95.538 107.173,95.544 107.737,95.609 109.542,95.631 108.975,95.665 107.498,95.696 78.91,95.769 108.062,95.761 109.322,95.758 107.26,95.783 107.824,95.848 109.102,95.885 107.585,95.935 107.346,96.022 108.149,96 107.911,96.086 107.672,96.173 108.236,96.238 107.433,96.26 107.998,96.325 79.926,96.379 107.759,96.412 107.52,96.499 80.962,96.954 82.018,97.492 100.65,97.697 100.411,97.783 100.172,97.87 100.737,97.935 99.934,97.957 83.092,97.993 100.498,98.022 100.259,98.109 100.823,98.174 100.021,98.196 100.585,98.261 100.346,98.348 100.107,98.435 100.91,98.413 84.183,98.456 100.672,98.499 100.433,98.586 100.997,98.651 100.194,98.673 100.759,98.738 100.52,98.825 85.29,98.881 100.281,98.912 86.41,99.267 87.544,99.613 88.688,99.92 89.843,100.186